# Allegro board RK_NVR_DEMO1_RK3588_LP4XD200P232SD8_V21_20211228_final_lint.brd (continued)
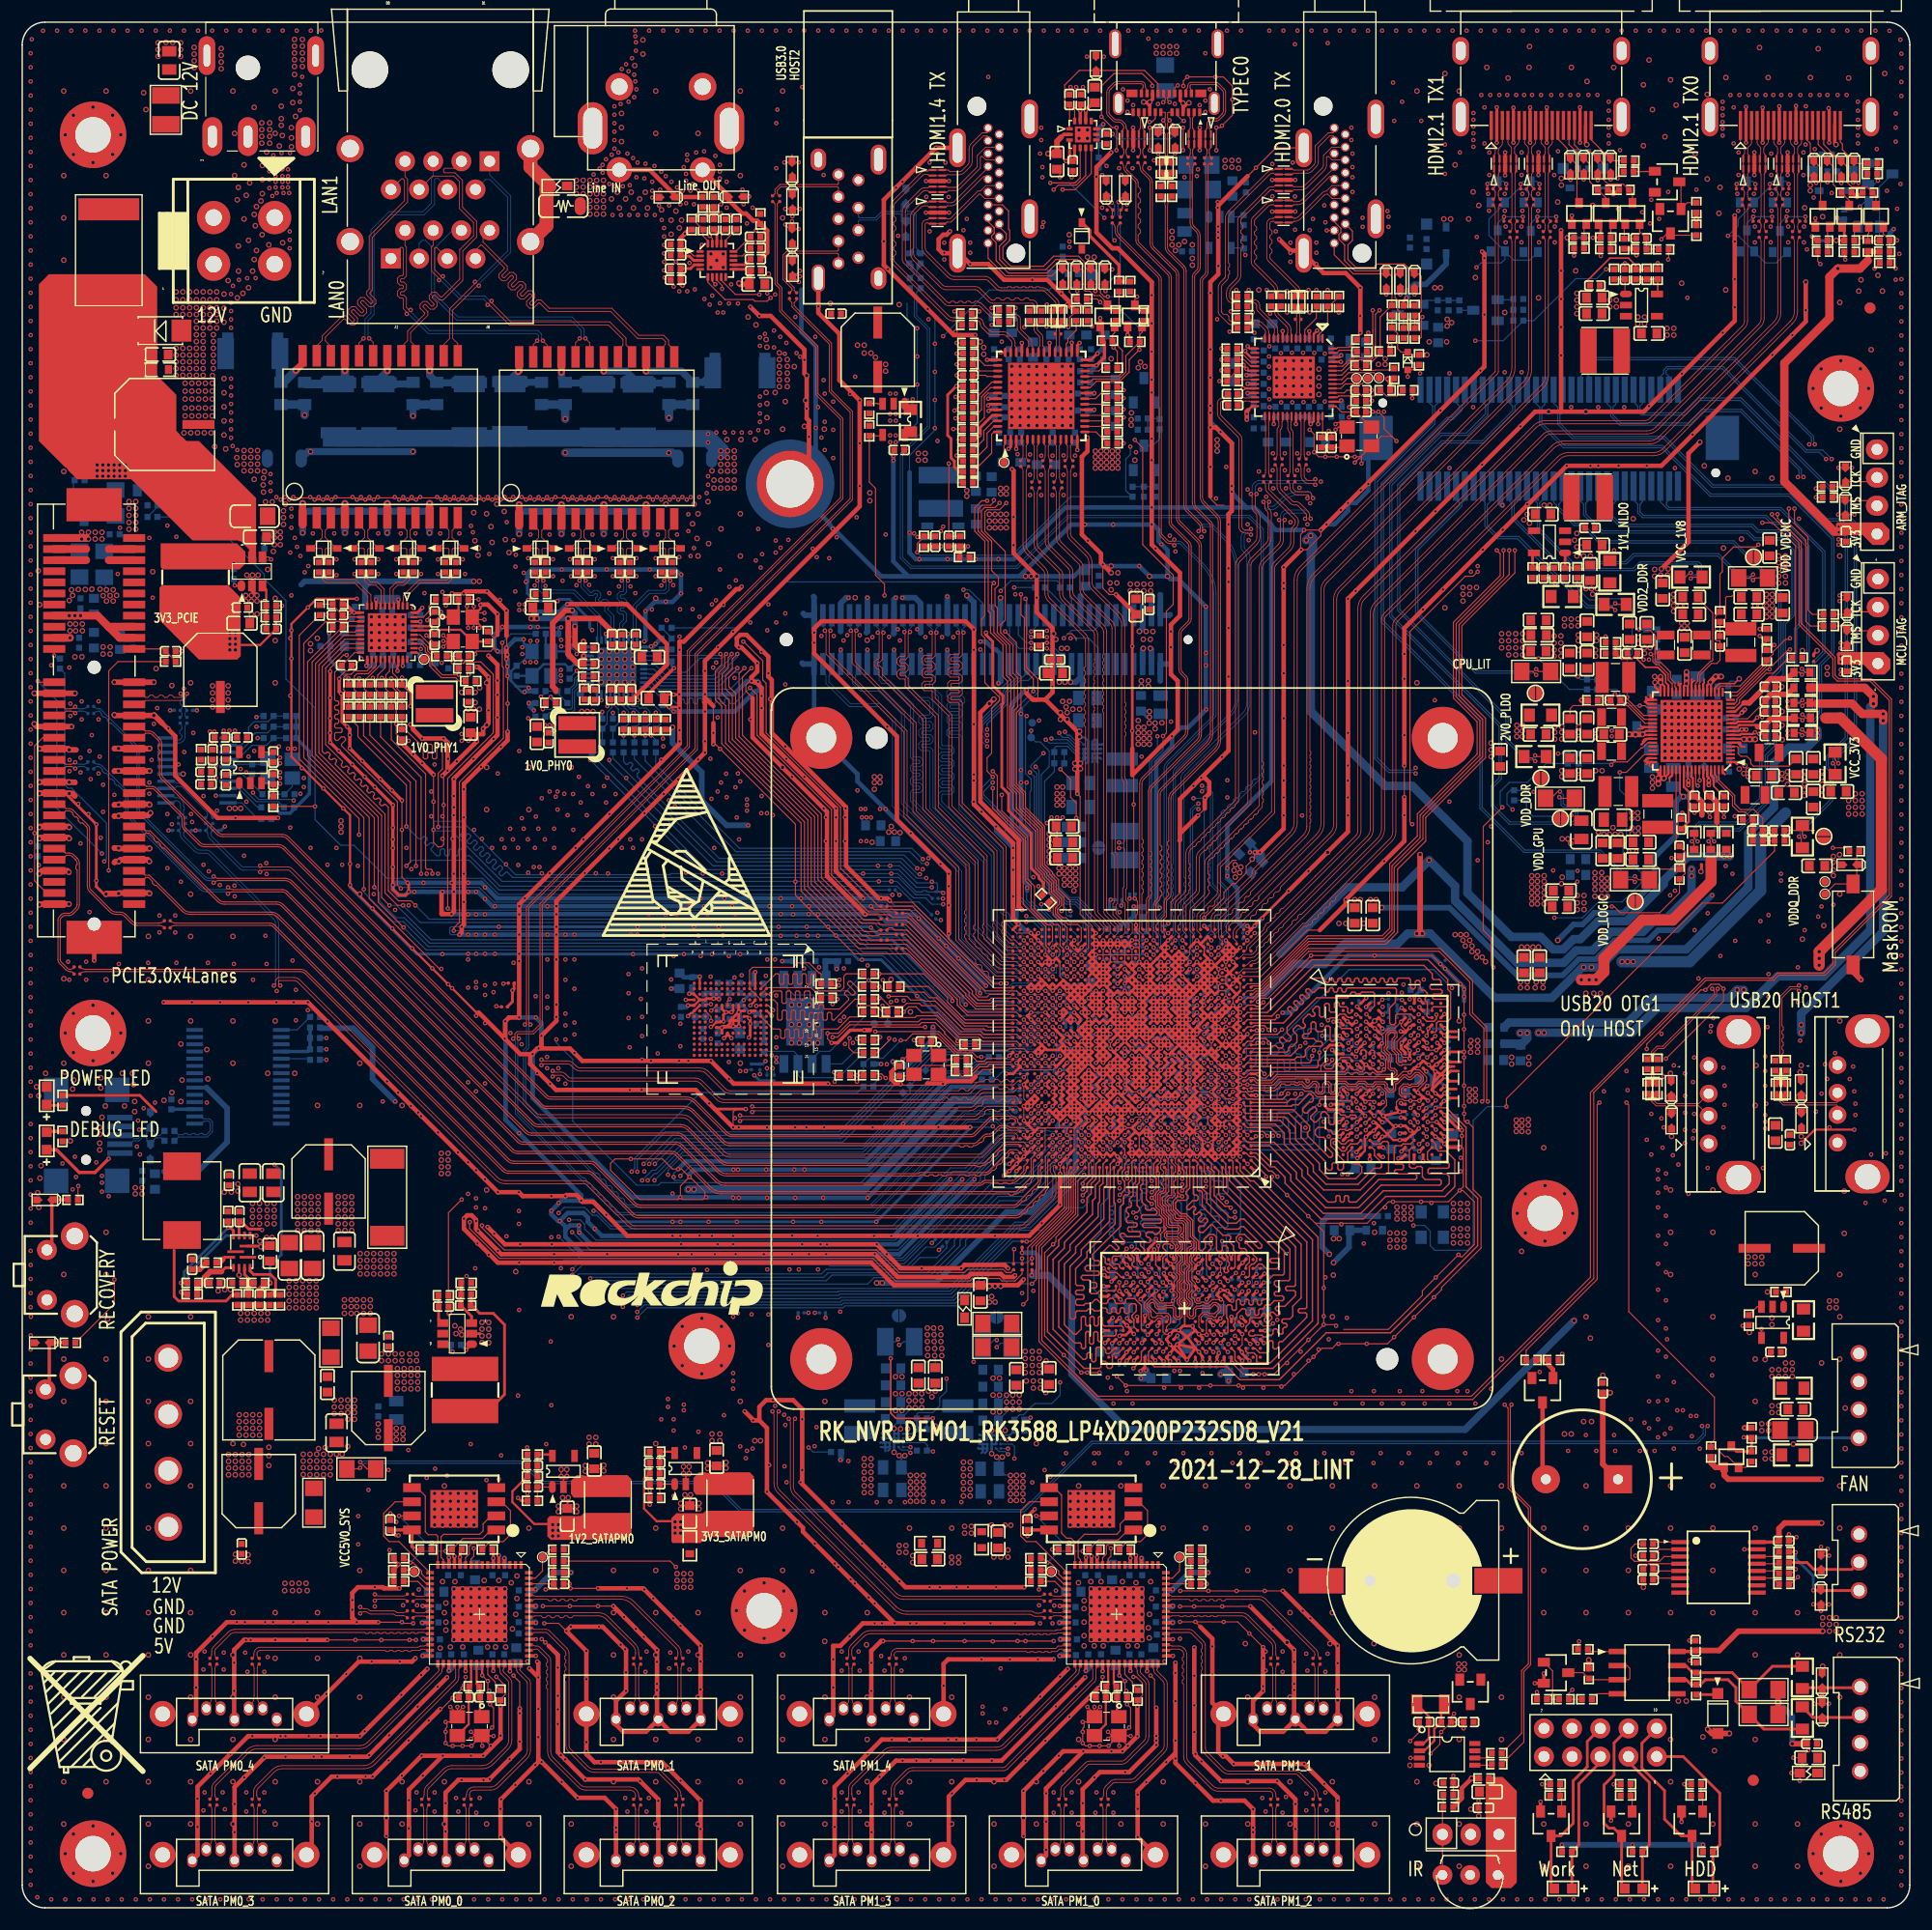
[diagram p0: board, top side]
## Routing (per net, layer and track width the routed paths; a pad name or vN(x,y) marks a point on that pad's centre or on a via; arc(x,y) is an arc through that point) (continued)
v2(42.72,25.7) v2(42.72,24.93) v2(42.72,24.17) v2(42.95,29.51) v2(43.43,125.87) v2(43.48,28.74) v2(43.48,27.98) v2(43.48,27.22) v2(43.48,26.46) v2(43.48,25.7) v2(43.48,24.93) v2(43.48,24.17) v2(43.53,123.33) v2(43.56,23.51) v2(43.86,122.17) v2(44.07,29.3) v2(44.17,25.14) v2(44.47,57.35) v2(44.47,26.46) v2(44.57,29.91) v2(44.57,27.88) v2(45.66,102.81) v2(45.66,99) v2(45.66,34.23) v2(45.66,11.37) v2(45.66,7.56) v2(49.47,102.81) v2(49.47,53.28) v2(49.47,7.56) v2(49.47,3.75) v2(49.93,155.72) v2(49.93,155.11) v2(49.93,154.5) v2(50.54,155.72) v2(50.54,155.11) v2(50.54,154.5) v2(51.15,155.72) v2(51.15,155.11) v2(51.15,154.5) v2(51.15,153.89) v2(51.15,153.28) v2(51.15,152.67) v2(51.76,155.72) v2(51.76,155.11) v2(51.76,154.5) v2(51.76,153.89) v2(51.76,153.28) v2(51.76,152.67) v2(52.17,112.56) v2(52.17,111.85) v2(52.17,111.14) v2(52.37,155.72) v2(52.37,155.11) v2(52.37,154.5) v2(52.37,153.89) v2(52.37,153.28) v2(52.37,152.67) v2(52.88,113.28) v2(52.88,111.85) v2(52.88,111.14) v2(53.1,154.04) v2(53.28,53.28) v2(53.28,30.42) v2(53.28,26.61) v2(53.28,22.8) v2(53.28,18.99) v2(53.28,15.18) v2(53.28,11.37) v2(53.6,154.65) v2(53.59,113.28) v2(53.59,112.56) v2(53.59,111.85) v2(53.81,153.23) v2(54,161.75) v2(54,160.48) v2(54,159.21) v2(54.3,113.28) v2(54.3,111.85) v2(54.3,111.14) v2(54.37,154.04) v2(54.87,154.65) v2(55.01,112.56) v2(55.01,111.85) v2(55.01,111.14) v2(55.08,153.23) v2(55.19,166.07) v2(55.64,154.04) v2(55.93,168.37) v2(55.93,167.1) v2(56.14,154.65) v2(56.35,153.23) v2(57.09,163.77) v2(57.09,159.96) v2(57.09,118.05) v2(57.09,41.85) v2(57.09,34.23) v2(57.09,30.42) v2(57.09,26.61) v2(57.09,22.8) v2(57.09,18.99) v2(57.09,15.18) v2(57.09,11.37) v2(57.09,7.56) v2(57.61,153.06) v2(58,126.53) v2(58.47,152.13) v2(58.47,150.86) v2(58.74,50.64) v2(58.9,152.95) v2(59.21,151.43) v2(59.41,152.14) v2(59.47,52.41) v2(59.47,48.87) v2(60.4,124.76) v2(60.54,126.53) v2(60.81,123.44) v2(60.9,159.96) v2(60.9,125.67) v2(60.9,121.86) v2(60.9,26.61) v2(60.9,22.8) v2(60.9,18.99) v2(60.9,15.18) v2(60.9,11.37) v2(60.9,7.56) v2(61.24,53.14) v2(61.24,48.14) v2(61.79,126.75) v2(61.85,122.98) v2(62.05,149.09) v2(62.05,147.87) v2(62.15,129.54) v2(62.33,128.69) v2(62.33,127.98) v2(62.58,148.51) v2(62.94,130.73) v2(62.94,130.12) v2(62.94,129.51) v2(62.94,128.69) v2(62.94,127.98) v2(62.96,124.3) v2(63.01,52.41) v2(63.01,48.87) v2(63.17,149.09) v2(63.17,147.87) v2(63.49,132.35) v2(63.55,131.34) v2(63.55,130.73) v2(63.55,130.12) v2(63.55,129.51) v2(63.55,128.69) v2(63.55,127.98) v2(63.74,50.64) v2(64.16,131.34) v2(64.16,130.73) v2(64.16,130.12) v2(64.16,129.51) v2(64.16,128.69) v2(64.16,127.98) v2(64.35,26.79) v2(64.71,163.77) v2(64.71,156.15) v2(64.71,125.67) v2(64.71,121.86) v2(64.71,76.14) v2(64.71,45.66) v2(64.71,30.42) v2(64.71,22.8) v2(64.71,18.99) v2(64.71,15.18) v2(64.71,11.37) v2(64.71,7.56) v2(64.76,132.35) v2(65.08,28.56) v2(65.08,25.02) v2(65.4,143.4) v2(66.11,142.69) v2(66.03,132.35) v2(66.85,29.29) v2(66.85,24.29) v2(67.03,141.37) v2(67.1,140.68) v2(67.03,136.59) v2(67.1,135.6) v2(67.1,134.33) v2(67.09,133.06) v2(67.23,147.26) v2(67.84,136.59) v2(68.22,140.17) v2(68.22,139.57) v2(68.22,138.96) v2(68.22,138.35) v2(68.22,137.74) v2(68.22,137.13) v2(68.52,163.77) v2(68.52,152.34) v2(68.52,133.29) v2(68.52,102.81) v2(68.52,34.23) v2(68.52,30.42) v2(68.52,22.8) v2(68.52,18.99) v2(68.52,15.18) v2(68.52,11.37) v2(68.52,7.56) v2(68.52,3.75) v2(68.62,28.56) v2(68.62,25.02) v2(68.76,135.78) v2(68.93,139.57) v2(68.93,138.96) v2(68.93,138.35) v2(68.93,137.74) v2(68.93,137.13) v2(69.31,81.4) v2(69.31,79.62) v2(69.31,77.97) v2(69.35,26.79) v2(69.57,138.93) v2(70.03,81.4) v2(70.03,79.62) v2(70.03,77.97) v2(70.48,133.55) v2(70.58,135.88) v2(70.91,81.4) v2(70.91,79.62) v2(70.91,77.97) v2(71.68,79.62) v2(71.68,77.97) v2(72.28,133.29) v2(72.31,24.02) v2(72.33,45.66) v2(72.33,26.61) v2(72.33,18.99) v2(72.33,15.18) v2(72.33,11.37) v2(72.33,7.56) v2(72.82,144.62) v2(75.05,118.1) v2(75.26,140.86) v2(75.87,140.86) v2(75.87,140.15) v2(76.07,23.72) v2(76.14,114.26) v2(76.14,26.61) v2(76.14,18.99) v2(76.14,15.18) v2(76.14,11.37) v2(76.14,7.56) v2(76.48,140.15) v2(76.58,96.05) v2(76.88,139.77) v2(77.8,139.13) v2(77.8,138.52) v2(79.02,144.52) v2(79.95,34.23) v2(79.95,18.99) v2(79.95,15.18) v2(79.95,11.37) v2(79.95,7.56) v2(80.24,31.74) v2(80.24,31.13) v2(81.66,46.58) v2(81.96,46.07) v2(82.27,46.58) v2(83.76,34.23) v2(83.76,18.99) v2(83.76,11.37) v2(83.76,7.56) v2(85.11,127.75) v2(85.11,127.25) v2(87.15,56.02) v2(87.35,34.51) v2(87.57,11.37) v2(87.57,7.56) v2(87.57,3.75) v2(87.65,56.02) v2(88.16,127.96) v2(88.16,127.45) v2(88.16,56.02) v2(88.55,34.49) v2(88.67,127.96) v2(88.67,127.45) v2(89.08,34.49) v2(89.15,138.96) v2(89.15,138.19) v2(89.15,137.43) v2(89.15,136.67) v2(89.15,135.91) v2(89.15,135.15) v2(89.15,134.38) v2(89.15,133.62) v2(89.91,138.96) v2(89.91,138.19) v2(89.91,137.43) v2(89.91,136.67) v2(89.91,135.91) v2(89.91,135.15) v2(89.91,134.38) v2(89.91,133.62) v2(90.47,47.49) v2(90.7,138.93) v2(90.68,138.19) v2(90.68,137.43) v2(90.68,136.67) v2(90.68,135.91) v2(90.68,135.15) v2(90.68,134.38) v2(90.68,133.62) v2(91.11,47.49) v2(91.11,46.86) v2(91.41,138.93) v2(91.38,41.85) v2(91.38,11.37) v2(91.38,7.56) v2(91.44,138.19) v2(91.44,137.43) v2(91.44,136.67) v2(91.44,135.91) v2(91.44,135.15) v2(91.44,134.38) v2(91.44,133.62) v2(91.74,47.49) v2(91.74,46.86) v2(92.2,138.19) v2(92.2,137.43) v2(92.2,136.67) v2(92.2,135.91) v2(92.2,135.15) v2(92.2,134.38) v2(92.2,133.62) v2(92.23,138.93) v2(92.23,46.45) v2(92.53,95.75) v2(92.53,95.24) v2(92.53,94.73) v2(92.53,94.23) v2(92.96,138.19) v2(92.96,137.43) v2(92.96,136.67) v2(92.96,135.91) v2(92.96,135.15) v2(92.96,134.38) v2(92.96,133.62) v2(92.94,114.85) v2(93.14,114.34) v2(93.24,101.03) v2(93.24,100.42) v2(93.24,99.92) v2(93.24,99.41) v2(93.55,107.74) v2(93.55,107.13) v2(93.65,113.53) v2(93.72,138.96) v2(93.72,138.19) v2(93.75,137.51) v2(93.72,136.67) v2(93.72,135.91) v2(93.72,135.15) v2(93.72,134.38) v2(93.72,133.62) v2(93.75,108.76) v2(93.75,101.03) v2(93.75,100.42) v2(93.75,99.92) v2(93.75,99.41) v2(94.05,108.25) v2(94.16,113.53) v2(94.16,107.74) v2(94.16,107.13) v2(94.36,108.76) v2(94.49,138.96) v2(94.49,138.19) v2(94.49,137.43) v2(94.49,136.67) v2(94.49,135.91) v2(94.49,135.15) v2(94.49,134.38) v2(94.49,133.62) v2(94.44,37.36) v2(94.44,36.64) v2(94.44,35.93) v2(94.44,35.22) v2(94.44,34.51) v2(94.66,108.04) v2(94.85,103.17) v2(94.85,102.66) v2(95.19,38.04) v2(95.15,37.36) v2(95.15,36.64) v2(95.15,35.93) v2(95.15,35.22) v2(95.15,34.51) v2(95.17,29.3) v2(95.19,15.18) v2(95.19,11.37) v2(95.19,7.56) v2(95.22,160.27) v2(95.22,159.5) v2(95.27,108.04) v2(95.36,102.68) v2(95.68,27.68) v2(95.68,26.97) v2(95.68,25.75) v2(95.68,24.53) v2(95.68,23.61) v2(95.86,37.36) v2(95.86,36.64) v2(95.86,35.93) v2(95.86,35.22) v2(95.86,34.51) v2(95.98,160.27) v2(95.98,159.5) v2(96.29,29.41) v2(96.31,28.74) v2(96.31,27.98) v2(96.31,27.22) v2(96.31,26.46) v2(96.31,25.7) v2(96.31,24.93) v2(96.31,24.17) v2(96.57,37.36) v2(96.57,36.64) v2(96.57,35.93) v2(96.57,35.22) v2(96.57,34.51) v2(96.59,23.61) v2(97.08,28.74) v2(97.08,27.98) v2(97.08,27.22) v2(97.08,26.46) v2(97.08,25.7) v2(97.08,24.93) v2(97.08,24.17) v2(97.2,29.41) v2(97.28,37.36) v2(97.28,36.64) v2(97.28,35.93) v2(97.28,35.22) v2(97.28,34.51) v2(97.41,23.61) v2(97.84,28.74) v2(97.84,27.98) v2(97.84,27.22) v2(97.84,26.46) v2(97.84,25.7) v2(97.84,24.93) v2(97.84,24.17) v2(97.99,37.36) v2(97.99,36.64) v2(97.99,35.93) v2(97.99,35.22) v2(97.99,34.51) v2(98.12,139.64) v2(98.6,28.74) v2(98.6,27.98) v2(98.6,27.22) v2(98.6,26.46) v2(98.6,25.7) v2(98.6,24.93) v2(98.6,24.17) v2(98.73,120.34) v2(99,38.04) v2(99,7.56) v2(99.13,29.41) v2(99.36,28.74) v2(99.36,27.98) v2(99.36,27.22) v2(99.36,26.46) v2(99.36,25.7) v2(99.36,24.93) v2(99.36,24.17) v2(99.64,23.61) v2(100.12,28.74) v2(100.12,27.98) v2(100.12,27.22) v2(100.12,26.46) v2(100.12,25.7) v2(100.12,24.93) v2(100.12,24.17) v2(100.25,130.5) v2(100.35,29.3) v2(100.46,23.61) v2(100.89,28.74) v2(100.89,27.98) v2(100.89,27.22) v2(100.89,26.46) v2(100.89,25.7) v2(100.89,24.93) v2(100.89,24.17) v2(101.01,114.34) v2(101.27,115.05) v2(101.47,25.24) v2(101.55,106.8) v2(101.57,26.46) v2(101.55,24.33) v2(101.65,114.34) v2(101.67,29.41) v2(101.78,27.88) v2(101.88,115.05) v2(102.08,106.8) v2(102.08,106.29) v2(102.18,167.78) v2(102.18,167.18) v2(102.69,106.82) v2(102.79,167.78) v2(102.79,167.18) v2(102.81,38.04) v2(102.81,34.23) v2(102.81,11.37) v2(102.81,7.56) v2(103.4,167.78) v2(103.4,167.18) v2(103.6,151.12) v2(103.6,150.51) v2(103.6,149.9) v2(103.91,149.4) v2(104.01,167.78) v2(104.01,167.18) v2(104.21,149.9) v2(104.72,150.21) v2(106.62,38.04) v2(106.62,34.23) v2(106.62,7.56) v2(106.62,3.75) v2(110.21,23.82) v2(110.43,38.04) v2(110.43,34.23) v2(110.43,30.42) v2(110.43,18.99) v2(110.43,11.37) v2(110.43,7.56) v2(110.82,94.53) v2(113.03,139.46) v2(113.03,138.7) v2(113.03,137.94) v2(113.03,137.18) v2(113.03,136.42) v2(113.79,139.46) v2(113.79,138.7) v2(113.79,137.94) v2(113.79,137.18) v2(113.79,136.42) v2(113.97,23.92) v2(114.24,38.04) v2(114.24,34.23) v2(114.24,30.42) v2(114.24,26.61) v2(114.24,18.99) v2(114.24,11.37) v2(114.24,7.56) v2(114.55,139.46) v2(114.55,138.7) v2(114.55,137.94) v2(114.55,137.18) v2(114.55,136.42) v2(115.31,139.46) v2(115.31,138.7) v2(115.31,137.94) v2(115.31,137.18) v2(115.31,136.42) v2(116.08,139.46) v2(116.08,138.7) v2(116.08,137.94) v2(116.08,137.18) v2(116.08,136.42) v2(116.84,138.7) v2(116.84,137.94) v2(116.84,137.18) v2(116.84,136.42) v2(117.63,95.14) v2(117.83,23.82) v2(118.05,53.28) v2(118.05,38.04) v2(118.05,34.23) v2(118.05,26.61) v2(118.05,11.37) v2(118.05,7.56) v2(118.13,57.04) v2(118.54,18.74) v2(120.06,90.87) v2(120.57,90.87) v2(121.49,90.87) v2(121.79,23.82) v2(121.86,79.95) v2(121.86,60.9) v2(121.86,38.04) v2(121.86,34.23) v2(121.86,30.42) v2(121.86,26.61) v2(121.86,18.99) v2(121.86,15.18) v2(121.86,7.56) v2(121.99,90.87) v2(125.04,12.84) v2(125.67,163.77) v2(125.67,110.43) v2(125.67,38.04) v2(125.67,34.23) v2(125.67,30.42) v2(125.67,26.61) v2(125.67,11.37) v2(125.67,7.56) v2(125.67,3.75) v2(125.75,23.82) v2(126.77,141.17) v2(126.77,12.84) v2(127.38,11.22) v2(128.19,165.35) v2(128.19,117.19) v2(128.34,141.17) v2(129.11,157.12) v2(129.48,163.77) v2(129.48,79.95) v2(129.48,38.04) v2(129.48,34.23) v2(129.48,30.42) v2(129.48,26.61) v2(129.48,22.8) v2(129.48,18.99) v2(129.48,15.18) v2(129.48,7.56) v2(129.48,3.75) v2(130.33,152.24) v2(130.53,8.88) v2(130.73,154.68) v2(130.94,146.96) v2(131.24,153.46) v2(131.24,8.27) v2(131.97,165.9) v2(132.36,105) v2(132.36,104.39) v2(132.36,103.78) v2(133.29,49.47) v2(133.29,38.04) v2(133.29,34.23) v2(133.29,18.99) v2(133.29,15.18) v2(133.58,143.81) v2(133.88,164.94) v2(134.2,76.67) v2(134.2,76.06) v2(134.71,62.6) v2(135.1,86.61) v2(135.1,59.17) v2(135.44,64.37) v2(135.44,60.84) v2(135.61,86.61) v2(135.81,167.78) v2(135.78,165.9) v2(135.75,76.67) v2(135.75,76.06) v2(136.12,86.61) v2(136.62,145.13) v2(136.62,86.61) v2(137.1,68.52) v2(137.1,34.23) v2(137.1,30.42) v2(137.1,26.61) v2(137.1,7.56) v2(137.1,3.75) v2(137.13,126.43) v2(137.21,65.1) v2(137.21,60.1) v2(137.64,126.43) v2(138.04,114.65) v2(138.04,114.02) v2(138.04,113.38) v2(138.04,112.83) v2(138.08,106.47) v2(138.08,105.96) v2(138.08,105.35) v2(138.35,153.76) v2(138.64,114.65) v2(138.64,114.02) v2(138.64,113.38) v2(138.64,112.83) v2(138.72,106.47) v2(138.72,105.96) v2(138.72,105.35) v2(138.72,102.51) v2(138.72,101.97) v2(138.98,64.37) v2(138.98,60.84) v2(139.59,165.9) v2(139.71,62.6) v2(139.88,123.28) v2(139.98,147.57) v2(140.08,123.89) v2(140.08,121.86) v2(140.2,114.74) v2(140.2,114.23) v2(140.24,113.38) v2(140.24,106.47) v2(140.24,105.96) v2(140.24,105.35) v2(140.24,102.51) v2(140.24,101.9) v2(140.69,121.86) v2(140.73,91.25) v2(140.73,90.59) v2(140.91,53.28) v2(140.91,38.04) v2(140.91,34.23) v2(140.91,30.42) v2(140.91,26.61) v2(140.91,7.56) v2(140.91,3.75) v2(140.99,164.64) v2(141.3,121.86) v2(141.5,153.46) v2(141.77,113.38) v2(141.77,112.83) v2(141.77,106.16) v2(141.77,105.55) v2(141.77,102.51) v2(141.85,114.74) v2(141.85,114.23) v2(142.01,96.97) v2(142.35,102.51) v2(142.42,48) v2(142.52,96.77) v2(143.05,144.92) v2(143.05,144.32) v2(143.03,96.77) v2(143.4,165.9) v2(143.33,97.38) v2(143.53,96.77) v2(143.63,144.92) v2(143.63,144.31) v2(143.84,153.15) v2(144.04,96.77) v2(144.72,34.23) v2(144.72,30.42) v2(144.72,26.61) v2(144.72,7.56) v2(144.72,3.75) v2(145.03,98.71) v2(145.03,98.2) v2(145.06,97.34) v2(145.06,96.83) v2(145.16,125.21) v2(145.57,143.4) v2(145.57,142.79) v2(145.6,114.52) v2(145.6,113.97) v2(145.57,98.71) v2(145.57,98.2) v2(145.62,97.34) v2(145.62,96.83) v2(146.07,164.33) v2(146.07,158.84) v2(146.07,28.9) v2(146.17,143.4) v2(146.17,142.79) v2(146.17,113.59) v2(146.17,113.08) v2(146.58,166.57) v2(146.67,113.59) v2(146.89,162.1) v2(148.02,159.65) v2(148.03,108.53) v2(148.03,107.92) v2(148.03,107.31) v2(148.03,106.7) v2(148.03,106.09) v2(148.03,105.48) v2(148.03,104.87) v2(148.03,104.26) v2(148.03,103.65) v2(148.51,75.23) v2(148.53,164.78) v2(148.61,69.54) v2(148.53,64.71) v2(148.53,60.9) v2(148.53,57.09) v2(148.53,38.04) v2(148.53,34.23) v2(148.53,26.61) v2(148.53,15.18) v2(148.53,11.37) v2(148.53,3.75) v2(148.64,108.53) v2(148.64,107.92) v2(148.64,107.31) v2(148.64,106.7) v2(148.64,106.09) v2(148.64,105.48) v2(148.64,104.87) v2(148.64,104.26) v2(148.64,103.65) v2(148.79,118.4) v2(148.79,117.89) v2(148.79,117.38) v2(148.79,116.87) v2(149.02,162.5) v2(149.25,108.53) v2(149.25,107.92) v2(149.25,107.31) v2(149.25,106.7) v2(149.25,106.09) v2(149.25,105.48) v2(149.25,104.87) v2(149.25,104.26) v2(149.25,103.65) v2(149.22,18.64) v2(149.39,117.36) v2(149.52,115.81) v2(149.52,115.31) v2(149.53,146.45) v2(149.9,117.36) v2(149.86,108.53) v2(149.86,107.92) v2(149.86,107.31) v2(149.86,106.7) v2(149.86,106.09) v2(149.86,105.48) v2(149.86,104.87) v2(149.86,104.26) v2(149.86,103.65) v2(149.93,18.64) v2(150.02,115.81) v2(150.02,115.31) v2(150.47,108.53) v2(150.47,107.92) v2(150.47,107.31) v2(150.47,106.7) v2(150.47,106.09) v2(150.47,105.48) v2(150.47,104.87) v2(150.47,104.26) v2(150.47,103.65) v2(150.75,158.13) v2(151.08,108.53) v2(151.08,107.92) v2(151.08,107.31) v2(151.08,106.7) v2(151.08,106.09) v2(151.08,105.48) v2(151.08,104.87) v2(151.08,104.26) v2(151.08,103.65) v2(151.56,129.99) v2(151.69,108.53) v2(151.69,107.92) v2(151.69,107.31) v2(151.69,106.7) v2(151.69,106.09) v2(151.69,105.48) v2(151.69,104.87) v2(151.69,104.26) v2(151.69,103.65) v2(151.83,163.46) v2(151.83,155.84) v2(152.3,108.53) v2(152.3,107.92) v2(152.3,107.31) v2(152.3,106.7) v2(152.3,106.09) v2(152.3,105.48) v2(152.3,104.87) v2(152.3,104.26) v2(152.3,103.65) v2(152.34,64.71) v2(152.34,60.9) v2(152.34,53.28) v2(152.34,49.47) v2(152.34,38.04) v2(152.34,34.23) v2(152.34,30.42) v2(152.34,26.61) v2(152.34,7.56) v2(152.47,14.17) v2(152.88,152.75) v2(152.91,108.53) v2(152.91,107.92) v2(152.91,107.31) v2(152.91,106.7) v2(152.91,106.09) v2(152.91,105.48) v2(152.91,104.87) v2(152.91,104.26) v2(152.91,103.65) v2(152.98,155.08) v2(153.29,122.57) v2(153.5,164.99) v2(153.49,145.84) v2(153.69,128.87) v2(154.91,123.39) v2(155.52,58.67) v2(155.52,58.06) v2(155.62,51.86) v2(156.15,129.48) v2(156.12,117.36) v2(156.15,72.33) v2(156.13,58.67) v2(156.13,58.06) v2(156.15,57.09) v2(156.15,49.47) v2(156.15,45.66) v2(156.15,34.23) v2(156.15,26.61) v2(156.15,22.8) v2(156.15,15.18) v2(156.15,7.56) v2(156.15,3.75) v2(156.23,75.94) v2(156.54,167.68) v2(156.63,117.36) v2(156.74,58.67) v2(156.74,58.06) v2(156.74,43.63) v2(156.74,43.02) v2(157.18,118.4) v2(157.18,117.89) v2(157.18,117.38) v2(157.18,116.87) v2(157.18,116.36) v2(157.31,164.99) v2(157.25,55.52) v2(157.35,43.63) v2(157.35,43.02) v2(157.66,128.87) v2(157.68,118.4) v2(157.68,117.89) v2(157.68,117.38) v2(157.68,116.87) v2(157.68,116.36) v2(157.66,53.18) v2(157.66,52.57) v2(157.66,45.25) v2(157.66,44.65) v2(158.27,45.25) v2(158.27,44.65) v2(158.57,102.25) v2(158.57,101.74) v2(159.59,41.8) v2(159.96,26.61) v2(159.96,22.8) v2(159.96,7.56) v2(159.96,3.75) v2(160.2,75.33) v2(160.3,75.94) v2(160.3,69.54) v2(160.4,87.32) v2(160.6,153.26) v2(160.59,102.42) v2(160.59,101.91) v2(160.59,101.28) v2(160.59,100.77) v2(160.59,100.26) v2(161.12,164.99) v2(161.36,136.96) v2(161.36,4.88) v2(161.82,167.58) v2(162.09,138.73) v2(162.09,135.19) v2(162.09,6.65) v2(162.09,3.11) v2(162.18,102.42) v2(162.18,101.91) v2(162.18,101.28) v2(162.18,100.77) v2(162.18,100.26) v2(162.23,152.44) v2(162.23,21.79) v2(162.84,54.7) v2(162.84,54.09) v2(163.45,54.7) v2(163.45,54.09) v2(163.77,144.72) v2(163.77,133.29) v2(163.77,121.86) v2(163.75,94.94) v2(163.77,91.38) v2(163.77,79.95) v2(163.77,57.09) v2(163.77,53.28) v2(163.77,49.47) v2(163.77,38.04) v2(163.77,34.23) v2(163.77,22.8) v2(163.77,18.99) v2(163.86,139.46) v2(163.86,134.46) v2(163.86,7.38) v2(163.86,2.38) v2(164.17,64.6) v2(164.17,60.79) v2(164.26,45.05) v2(164.26,41.39) v2(164.56,164.94) v2(165.48,145.74) v2(165.68,146.75) v2(165.63,138.73) v2(165.63,135.19) v2(165.63,6.65) v2(165.63,3.11) v2(166.36,136.96) v2(166.36,4.88) v2(166.6,140.45) v2(167.21,147.16) v2(167.61,145.74) v2(167.82,165.35)
